# Altium PCB hep-0001.PcbDoc (part 1 of 2)
Units mm, origin at the board's own origin, x right, y up, seen from the top; angles counter-clockwise.
Board outline 120.4 x 43.4 mm, 4 copper layers (Top Layer, Signal_1, Signal_2, GND), stack 1.57 mm thick; 172 components, 149 nets, 569 pads, 218 vias.
Unrouted connection lines stored in the file: 1.
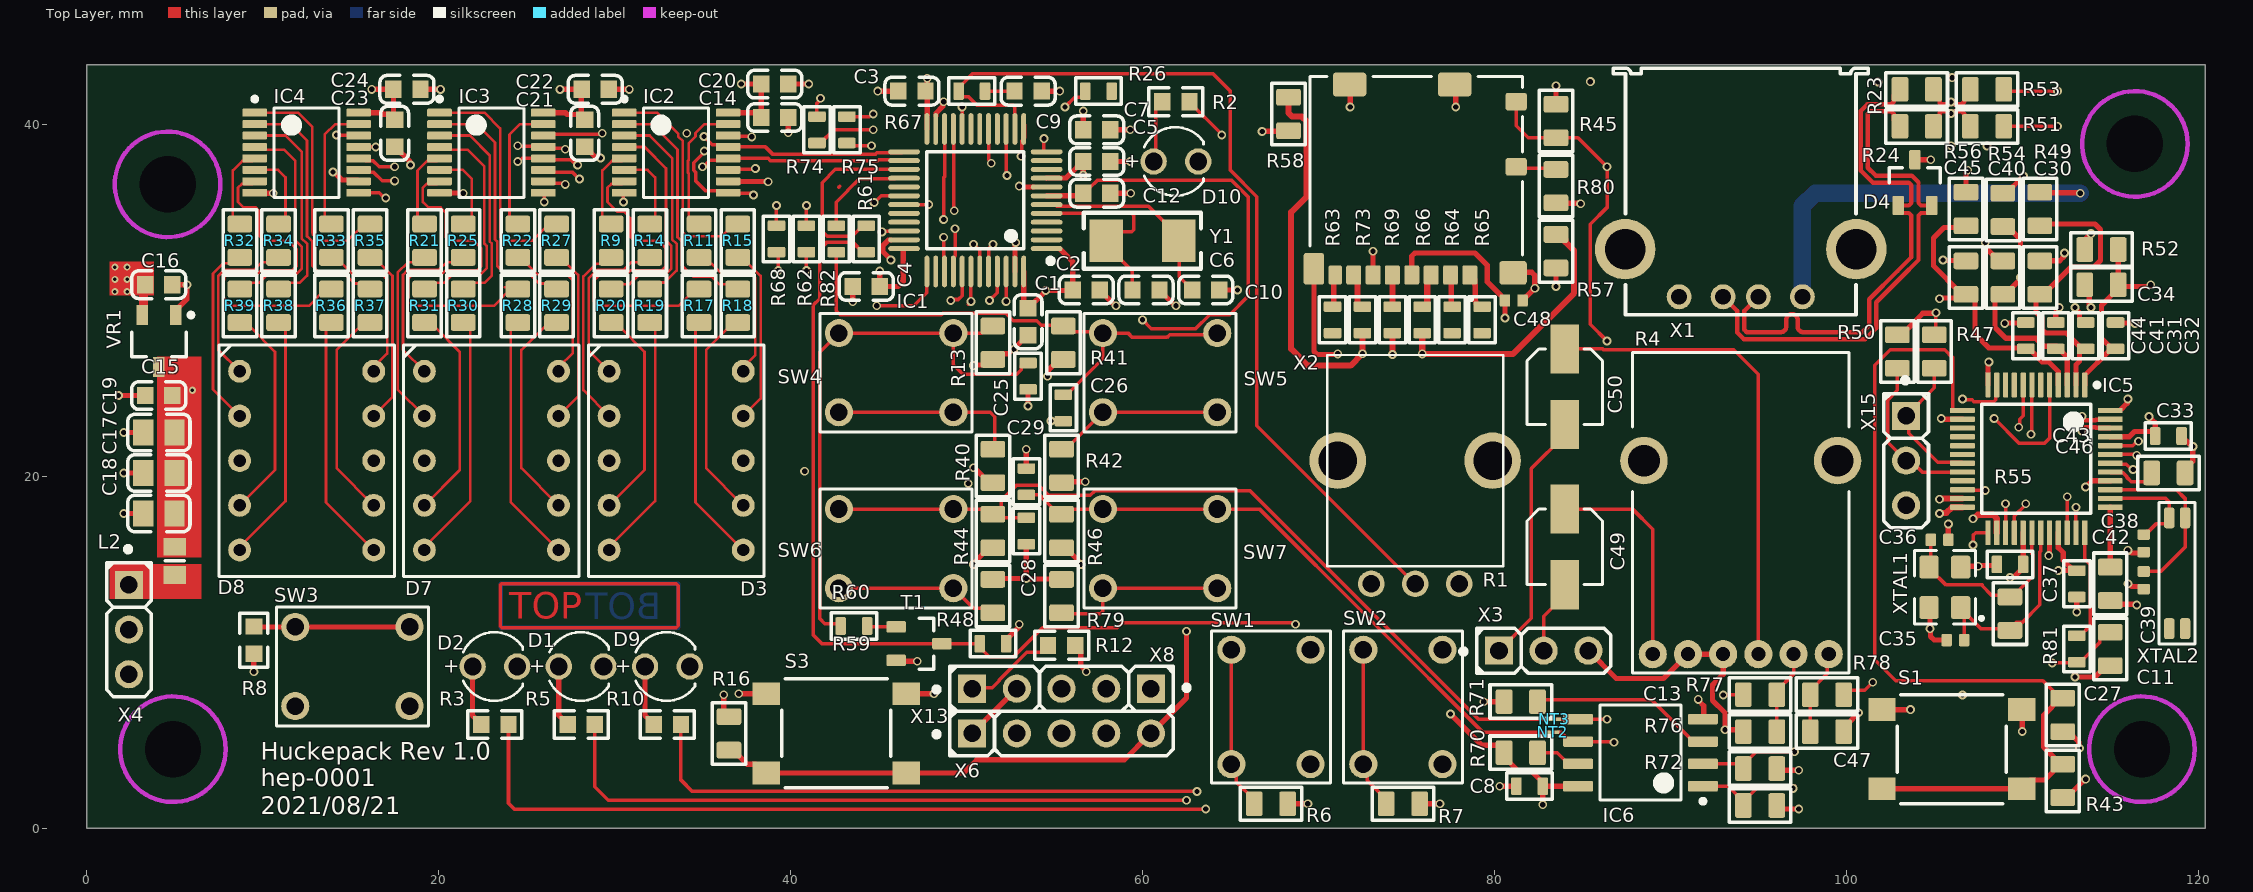
[diagram p0: Top Layer view]
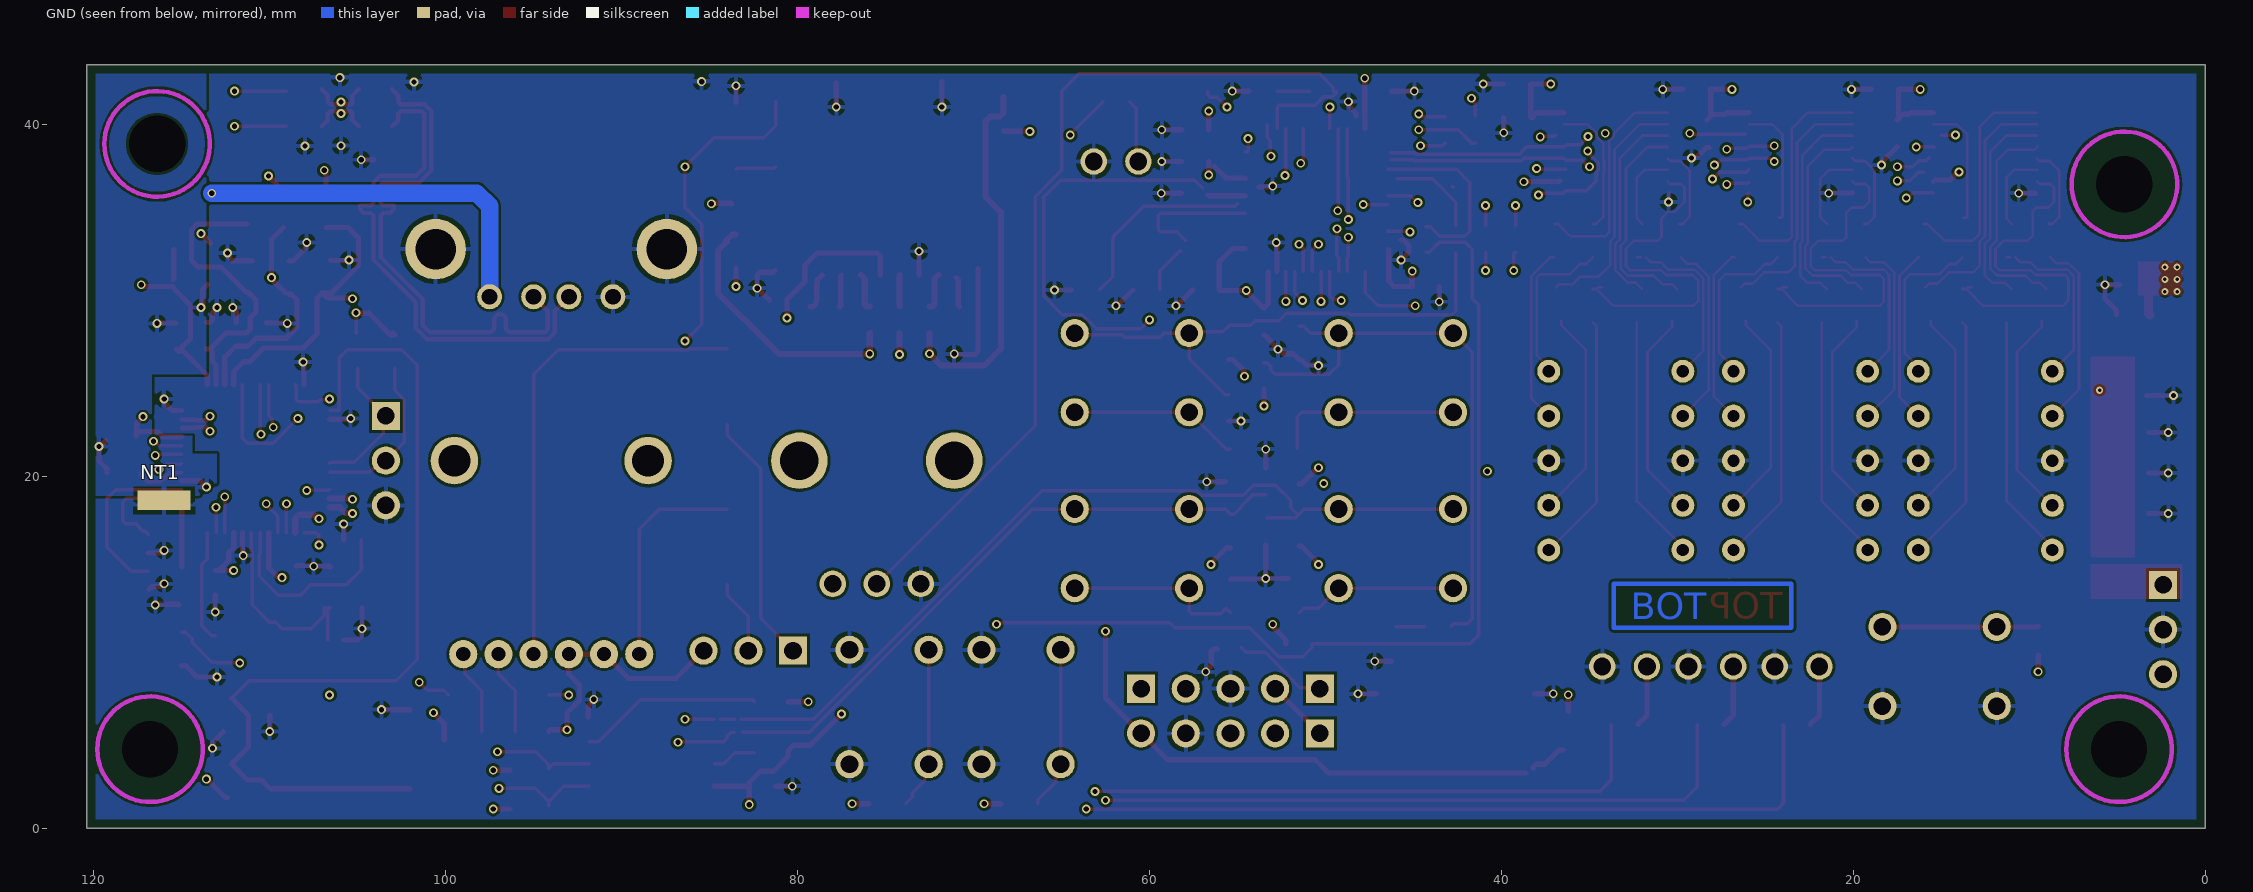
[diagram p1: GND view, seen from below]
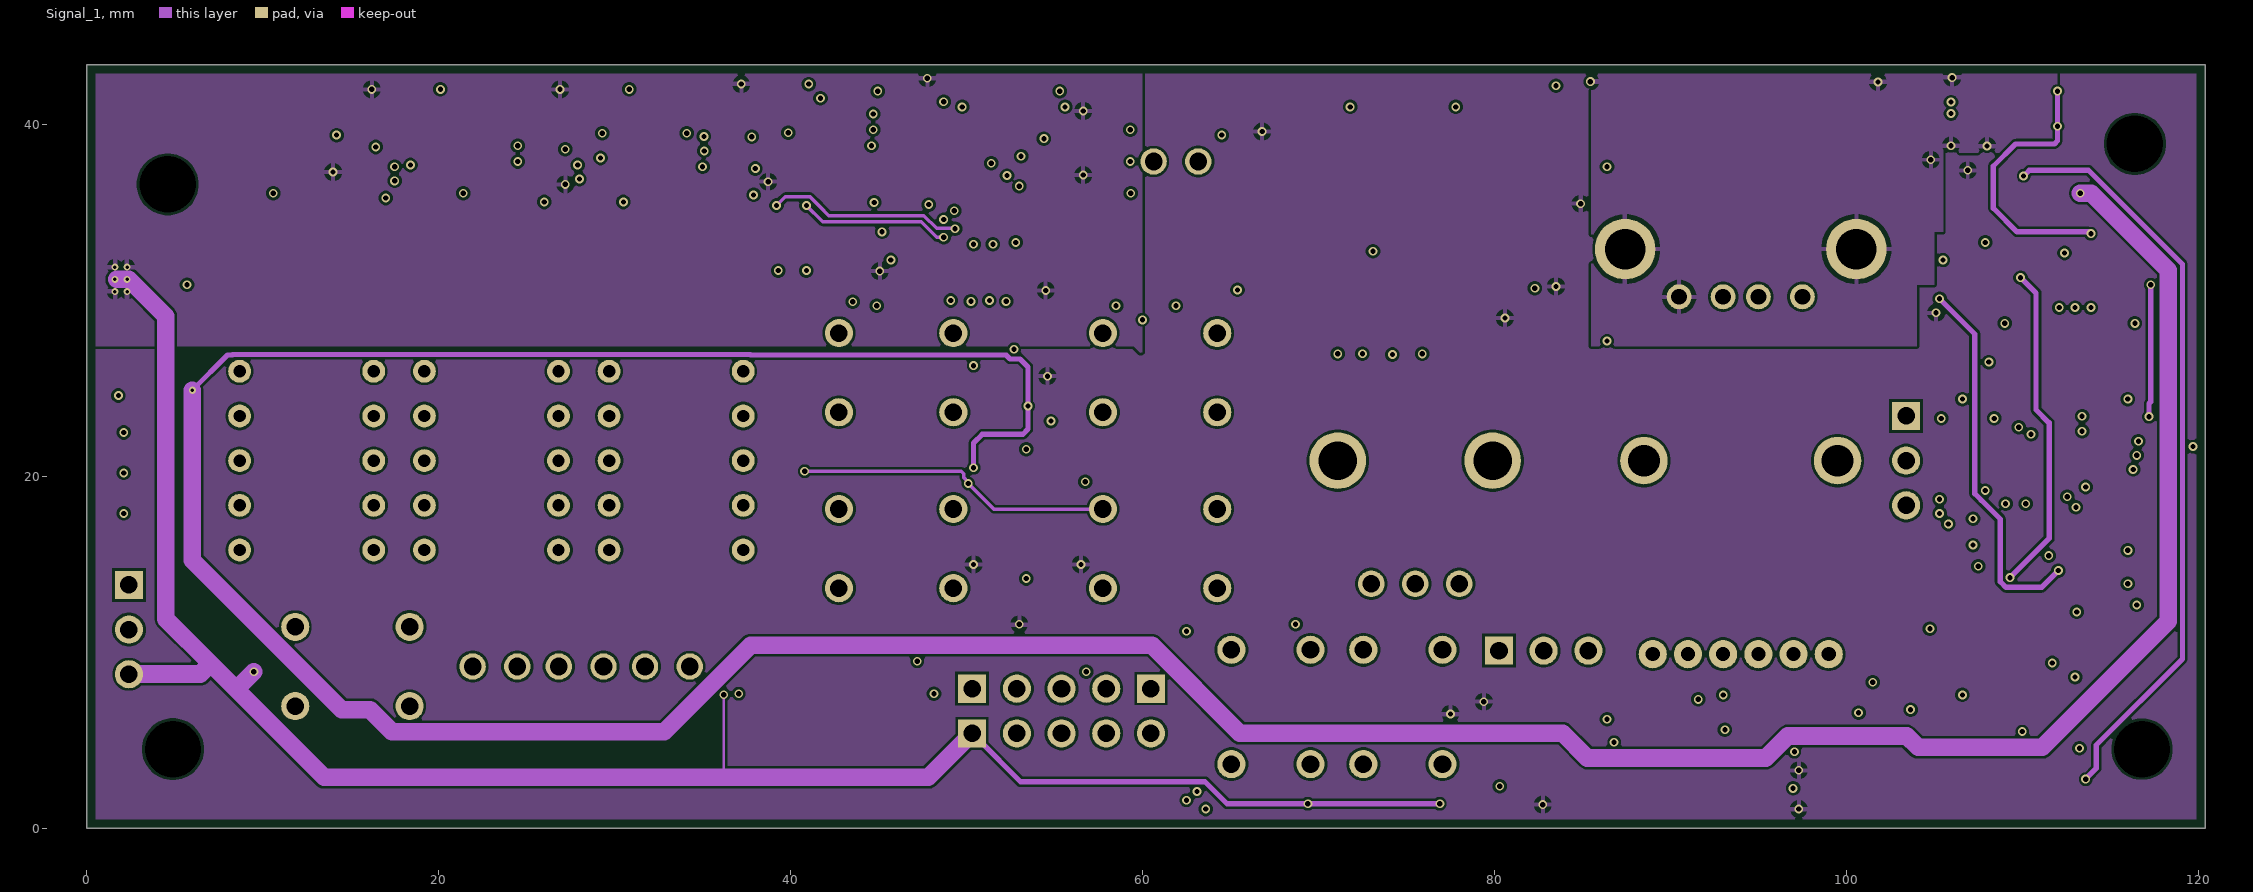
[diagram p2: Signal_1]
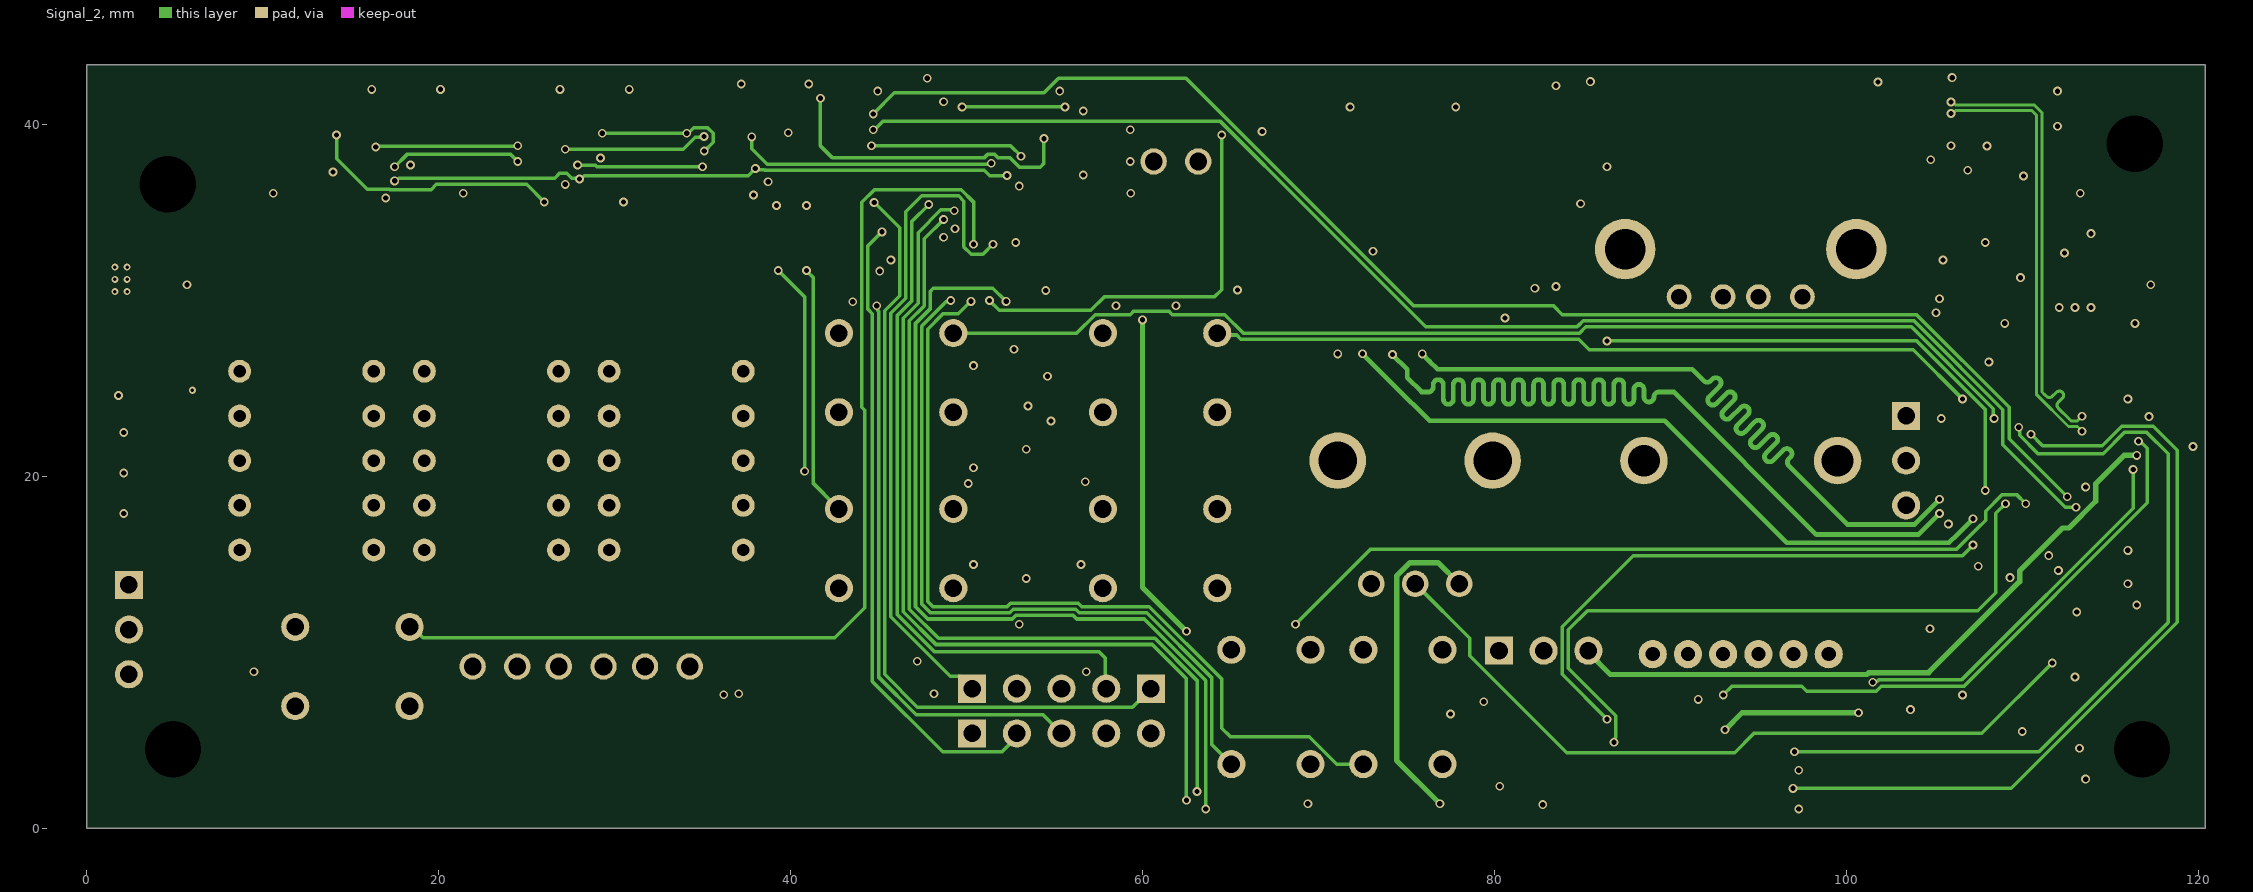
[diagram p3: Signal_2]
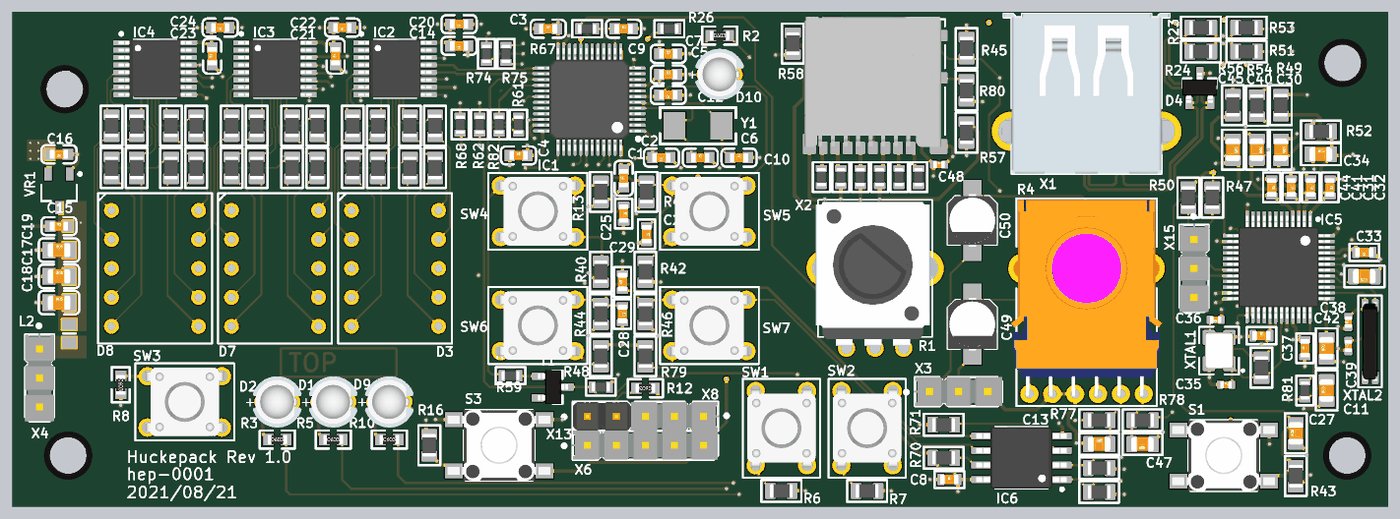
[diagram p5: 3D render of the assembled board from above, using the file's embedded part models]

## Layer stack, top to bottom
Top Solder: solder mask 0.0254, Solder Resist, Dk 3.5
Top Layer: signal copper 0.035
Dielectric 2: prepreg 0.2, PP-006, Dk 4.1
Signal_1: signal copper 0.0175
Dielectric 1: core 1.065, FR-4, Dk 4.6
Signal_2: signal copper 0.0175
Dielectric 3: prepreg 0.2, PP-006, Dk 4.1
GND: signal copper 0.035
Bottom Solder: solder mask 0.0254, Solder Resist, Dk 3.5

## Board outline
0,43.4 120.4,43.4 120.4,0 0,0 0,1.4

## Design rules (kind name [scope] priority, off if disabled: settings)
AssemblyTestPointUsage AssemblyTestPointUsage_1 [All] p2:
AssemblyTestpoint AssemblyTestpoint_1 [All] p2: testpointundercomponent=TRUE minsize=1.016 maxsize=2.54 preferedsize=1.524 minholesize=0 maxholesize=1.016 preferedholesize=0.813 testpointgrid=0.025 usegrid=TRUE gridtolerance=0 allowsidetop=TRUE allowsidebottom=TRUE
BoardOutlineClearance [All] p1: gap=0.5 ignorepadtopadclearanceinfootprint=FALSE
Clearance [All] p1: gap=0.15 ignorepadtopadclearanceinfootprint=FALSE
ComponentClearance [All] p1 off: gap=0.254 collisioncheckmode=3 verticalgap=0.254 showdistances=FALSE
DiffPairsRouting [All] p1: maxlimit=0.15 minlimit=0.15 mostfreqgap=0.15 toplayer_minwidth=0.25 toplayer_maxwidth=0.25 toplayer_prefwidth=0.25 midlayer1_minwidth=0.175 midlayer1_maxwidth=0.175 midlayer1_prefwidth=0.175 midlayer2_minwidth=0.175 midlayer2_maxwidth=0.175 midlayer2_prefwidth=0.175 bottomlayer_minwidth=0.25 bottomlayer_maxwidth=0.25 bottomlayer_prefwidth=0.25 impedanceprofiledriven=TRUE impedanceprofileid={04F2F82F-38AB-4D0A-8382-FEA7E611262D} impedanceprofilevalue=90.000000 maxuncoupledlength=12.7
FabricationTestPointUsage FabricationTestPointUsage_1 [All] p2: valid=0 allowmultiple=FALSE
FabricationTestpoint FabricationTestpoint_1 [All] p2: side=3 testpointundercomponent=TRUE minsize=1.016 maxsize=2.54 preferedsize=1.524 minholesize=0 maxholesize=1.016 preferedholesize=0.813 testpointgrid=0.025 allowsidetop=TRUE allowsidebottom=TRUE usegrid=TRUE gridtolerance=0
FanoutControl Fanout_LCC [IsLCC] p1: bgadir=Out bgaviamode=Centered fanoutstyle=Auto fanoutdirection=Alternating viagrid=0.025 // Fanout_LCC (Default Rule)
FanoutControl Fanout_BGA [IsBGA] p2: bgadir=Out bgaviamode=Centered fanoutstyle=Auto fanoutdirection=Alternating viagrid=0.025 // Fanout_BGA (Default Rule)
FanoutControl Fanout_Default [All] p4: bgadir=Out bgaviamode=Centered fanoutstyle=Auto fanoutdirection=Alternating viagrid=0.025 // Fanout_Default (Default Rule)
FanoutControl Fanout_Small [(CompPinCount < 5)] p5: bgadir=Out bgaviamode=Centered fanoutstyle=Auto fanoutdirection=OutThenIn viagrid=0.025 // Fanout_Small (Default Rule)
FanoutControl Fanout_BGA_1 [IsBGA] p6: bgadir=Out bgaviamode=Centered fanoutstyle=Auto fanoutdirection=Alternating viagrid=0.025 // Fanout_BGA (Default Rule)
FanoutControl Fanout_LCC_1 [IsLCC] p7: bgadir=Out bgaviamode=Centered fanoutstyle=Auto fanoutdirection=Alternating viagrid=0.025 // Fanout_LCC (Default Rule)
FanoutControl Fanout_SOIC_1 [IsSOIC] p8: bgadir=Out bgaviamode=Centered fanoutstyle=Auto fanoutdirection=Alternating viagrid=0.025 // Fanout_SOIC (Default Rule)
FanoutControl Fanout_Small_1 [(CompPinCount < 5)] p9: bgadir=Out bgaviamode=Centered fanoutstyle=Auto fanoutdirection=OutThenIn viagrid=0.025 // Fanout_Small (Default Rule)
FanoutControl Fanout_Default_1 [All] p10: bgadir=Out bgaviamode=Centered fanoutstyle=Auto fanoutdirection=Alternating viagrid=0.025 // Fanout_Default (Default Rule)
Height [All] p1: minheight=0 maxheight=500 prefheight=12.7
HoleSize HoleSize_1 [All] p1: absolutevalues=TRUE maxlimit=6 minlimit=0.025 maxpercent=80.000 minpercent=20.000
HoleToHoleClearance [All] p1: gap=0.2 allowstackedmicrovias=TRUE
MatchedLengths "Schematic Matched Net Lengths_1" [InNetClass('SD_CARD_2')] p1: tolerance=0.5 checknetsindiffpair=FALSE checkdiffpairvsdiffpair=TRUE checkxsignals=TRUE checkothers=TRUE
MatchedLengths "Schematic Matched Net Lengths" [InNetClass('SD_CARD')] p2: tolerance=0.5 checknetsindiffpair=FALSE checkdiffpairvsdiffpair=TRUE checkxsignals=TRUE checkothers=TRUE
MinimumSolderMaskSliver MinimumSolderMaskSliver_1 [All] p1: minsoldermaskwidth=0.1
PasteMaskExpansion PasteMaskExpansion_1 [All] p2: expansion=0
PlaneClearance PlaneClearance_1 [All] p2: clearance=0.508
PlaneConnect PlaneConnect_1 [All] p2: planeconnectstyle=Relief reliefexpansion=50 reliefentries=4 reliefconductorwidth=2 reliefairgap=0.2
PlaneConnect Via [IsVia] p3: planeconnectstyle=Direct reliefexpansion=0.508 reliefentries=4 reliefconductorwidth=0.254 reliefairgap=0.254
PolygonConnect PolygonConnect_2 [OnLayer('Top Layer')] p1: thpad.connectstyle=Relief thpad.reliefconductorwidth=0.254 thpad.reliefentries=4 thpad.polygonreliefangle="90 Angle" thpad.airgapwidth=0.254 smdpad.connectstyle=NoConnect smdpad.reliefconductorwidth=0.254 smdpad.reliefentries=4 smdpad.polygonreliefangle="90 Angle" smdpad.airgapwidth=0.254 via.connectstyle=Relief via.reliefconductorwidth=0.254 via.reliefentries=4 via.polygonreliefangle="90 Angle" via.airgapwidth=0.254
PolygonConnect [All] p2: connectstyle=Relief reliefconductorwidth=0.254 reliefentries=4 polygonreliefangle="90 Angle" airgapwidth=0.254
PolygonConnect Polygon [IsVia] p3: connectstyle=Direct reliefconductorwidth=0.25 reliefentries=4 polygonreliefangle="90 Angle" airgapwidth=0.25
PolygonConnect PolygonConnect_1 [All] p4: connectstyle=Relief reliefconductorwidth=0.254 reliefentries=4 polygonreliefangle="90 Angle" airgapwidth=0.254
RoutingVias RoutingVias_1 [All] p1: holewidth=0.3 width=0.5 viastyle="Through Hole" minholewidth=0.3 minwidth=0.5 maxholewidth=0.3 maxwidth=0.5
SilkToBoardRegionClearance SilkToBoardRegionClearance_1 [All] p2:
SilkToSilkClearance SilkToSilkClearance_1 [All] p1 off: silktosilkclearance=0
SolderMaskExpansion [All] p1: expansion=0.102 istentingtop=FALSE
SolderMaskExpansion SolderMaskExpansion_1 [All] p2: expansion=0.05 istentingtop=FALSE
Width Width_1 [InNetClass('SD_CARD')] p1: maxlimit=0.35 minlimit=0.27 preferedwidth=0.35 toplayer_minwidth=0.35 midlayer1_maxwidth=0.27 midlayer1_prefwidth=0.27 midlayer2_maxwidth=0.27 midlayer2_prefwidth=0.27 bottomlayer_minwidth=0.35 impedanceprofiledriven=TRUE impedanceprofileid={81609BBF-65D0-4220-B192-4D64DA6867EA} impedanceprofilevalue=50.000000 minimp=50.000000 maximp=50.000000 favimp=50.000000
Width [All] p2: maxlimit=1 minlimit=0.15 preferedwidth=0.3 minimp=50.000000 maximp=50.000000 favimp=50.000000
19 further rules are at their usual default settings.

## Classes and differential pairs
net class SD_CARD_2: NetR66_2 NetR69_2 NetR73_2
net class SD_CARD: SD_CLK SD_CMD SD_DAT0
differential pair class USB_Line: USBD USBD_CON
net class USB: USBD_CON_N USBD_CON_P USBD_N USBD_P
component class Power_and_Connectors: C15 C16 C17 C18 C19 D4 L2 R23 R24 VR1 X1 X4 X6 X8
component class MCU: C1 C2 C3 C4 C5 C6 C7 C9 C10 C12 C14 C20 C21 C22 C23 C24 D1 D2 D3 D7 D8 D9 D10 IC1 IC2 IC3 IC4 R1 R2 R3 R5 R6 R7 R8 R9 R10 R11 R12 R14 R15 R16 R17 R18 R19 R20 R21 R22 R25 R26 R27 R28 R29 R30 R31 R32 R33 R34 R35 R36 R37 R38 R39 R61 R62 R67 R68 R82 S3 SW1 SW2 SW3 X13 Y1
component class Audiocodec: C8 C11 C13 C25 C26 C27 C28 C29 C30 C31 C32 C33 C34 C35 C36 C37 C38 C39 C40 C41 C42 C43 C44 C45 C46 C47 C48 C49 C50 D13 IC5 IC6 NT1 NT2 NT3 R4 R13 R40 R41 R42 R43 R44 R45 R46 R47 R48 R49 R50 R51 R52 R53 R54 R55 R56 R57 R58 R59 R60 R63 R64 R65 R66 R69 R70 R71 R72 R73 R74 R75 R76 R77 R78 R79 R80 R81 S1 SW4 SW5 SW6 SW7 T1 X2 X3 X14 X15 XTAL1 XTAL2
differential pair USBD: +USBD_P -USBD_N
differential pair USBD_CON: +USBD_CON_P -USBD_CON_N

## Components (designator, comment, footprint, x,y, rotation, side; value= is the part's Value field where it differs from the comment)
C1 "100nF" 0603_C 53.5,28.8 r90 top
C2 "100nF" 0603_C 56.8,30.6 r180 top
C3 "100nF" 0603_C 46.9,41.9 r0 top
C4 "4.7uF" 0603_C 44.3,30.8 r0 top
C5 "1uF" 0603_C 57.4,37.9 r0 top
C6 "22pF" 0603_C 60.2,30.6 r0 top
C7 "10nF" 0603_C 57.4,39.7 r0 top
C8 "100nF" CAPC1608X95N 82,2.4 r0 top
C9 "1uF" 0603_C 53.5,41.9 r0 top
C10 "22pF" 0603_C 63.6,30.6 r0 top
C11 "1uF" CAPC2012X145N 115,10.2 r90 top
C12 "100nF" 0603_C 57.4,36.1 r180 top
C13 "1nF" CAPC2012X145N 95.1,5.5 r0 top
C14 "100nF" 0603_C 39.1,40.4 r180 top
C15 "1uF" 0603_C 4.1,24.6 r0 top
C16 "1uF" 0603_C 4.1,30.9 r180 top
C17 "10uF" 0805_C 4.1,20.2 r0 top
C18 "10uF" 0805_C 4.1,17.9 r0 top
C19 "10uF" 0805_C 4.1,22.5 r0 top
C20 "1uF" 0603_C 39.1,42.3 r180 top
C21 "100nF" 0603_C 28.3,39.5 r90 top
C22 "1uF" 0603_C 28.9,42 r180 top
C23 "100nF" 0603_C 17.5,39.5 r90 top
C24 "1uF" 0603_C 18.2,42 r180 top
C25 "100nF" CAPC1608X95N 53.5,25.7 r270 top
C26 "100nF" CAPC1608X95N 55.5,23.9 r270 top
C27 "1uF" CAPC2012X145N 112.3,6.45 r90 top
C28 "100nF" CAPC1608X95N 53.4,16.9 r270 top
C29 "100nF" CAPC1608X95N 53.4,19.7 r90 top
C30 "10uF" CAPC2012X145N 111,31.3 r270 top
C31 "100nF" CAPC1608X95N 113.6,28 r270 top
C32 "100nF" CAPC1608X95N 115.3,28 r270 top
C33 "100nF" CAPC1608X95N 118.3,22.3 r180 top
C34 "10uF" CAPC2012X145N 114.5,30.9 r0 top
C35 "8pF" CAPC1005X55 106.2,10.7 r0 top
C36 "8pF" CAPC1005X55 105.3,16.4 r180 top
C37 "100nF" CAPC1608X95N 109.3,15 r0 top
C38 "10pF" CAPC1005X55 116.9,16.2 r90 top
C39 "10pF" CAPC1005X55 116.9,14.1 r90 top
C40 "10uF" CAPC2012X145N 108.9,31.3 r270 top
C41 "100nF" CAPC1608X95N 111.9,28 r270 top
C42 "1uF" CAPC2012X145N 115,13.9 r90 top
C43 "10uF" CAPC2012X145N 118.3,20.2 r180 top
C44 "100nF" CAPC1608X95N 110.2,28 r270 top
C45 "10uF" CAPC2012X145N 106.8,31.3 r270 top
C46 "100nF" CAPC1608X95N 113.1,13.9 r90 top
C47 "1nF" CAPC2012X145N 98.9,5.5 r180 top
C48 "100n" CAPC1005X55 81.1,30 r0 top value=100nF
C49 "22u" CAPAE4643X54M 84,16 r270 top
C50 "22u" CAPAE4643X54M 84,25.1 r270 top
D1 "Super Red, 2.2V, 60deg" WL-TMRC_3MM_10MM_SPACE 28.1,9.2 r0 top
D2 "Super Red, 2.2V, 60deg" WL-TMRC_3MM_10MM_SPACE 23.2,9.2 r0 top
D3 "RED" LTS-4301WC 33.5,20.9 r0 top
D4 "PESD2USB3UX-TR" SOT95P280X135-3N_123 103.9,36.7 r90 top
D7 "RED" LTS-4301WC 23,20.9 r0 top
D8 "RED" LTS-4301WC 12.5,20.9 r0 top
D9 "Super Red, 2.2V, 60deg" WL-TMRC_3MM_10MM_SPACE 33,9.2 r0 top
D10 "Super Red, 2.2V, 60deg" WL-TMRC_3MM_10MM_SPACE 61.9,37.9 r0 top
IC1 "STM32F103C8T6" LQFP-48_7x7x05P 50.5,35.7 r90 top
IC2 "SN74HCS595PWR" TSOP65P640X120-16N_2 33.5,38.4 r0 top
IC3 "SN74HCS595PWR" TSOP65P640X120-16N_2 23,38.4 r0 top
IC4 "SN74HCS595PWR" TSOP65P640X120-16N_2 12.5,38.4 r0 top
IC5 "VS1010D-L" TSQFP50P900X900X160-48N 110.8,21 r270 top
IC6 "SST25VF080B-50-4C-S2AF-T" SOIC127P790X216-8N 88.3,4.3 r180 top
L2 "100R @ 100Mhz 0.8A" 6-0805_L 5,15.2 r90 top
NT1 "NetTie_3mm" NET_TIE_3MM 116,18.65 r270 bottom net-tie
NT2 "NetTie_0.2mm" NET_TIE_0.2MM 83.325,5.45 r0 top net-tie
NT3 "NetTie_0.2mm" NET_TIE_0.2MM 83.4,6.2 r0 top net-tie
R1 "POT_50k_lin_9mm" PTV09 75.5,20.9 r0 top
R2 "130Ω ±1%" 0603_R 61.9,41.3 r0 top
R3 "130Ω ±1%" 0603_R 23.2,5.9 r0 top
R4 "10k" rk12l123 94,20.9 r0 top
R5 "130Ω ±1%" 0603_R 28.1,5.9 r0 top
R6 "100k" RESC2012X70N 67.3,1.4 r0 top
R7 "100k" RESC2012X70N 74.8,1.4 r0 top
R8 "100KΩ ±1%" 0603_R 9.5,10.7 r270 top
R9 "390R" RESC2012X70N 29.8,33.4 r270 top
R10 "130Ω ±1%" 0603_R 33,5.9 r0 top
R11 "390R" RESC2012X70N 34.8,33.4 r90 top
R12 "100KΩ ±1%" 0603_R 55.4,10.4 r180 top
R13 "100k" RESC2012X70N 51.5,27.6 r90 top
R14 "390R" RESC2012X70N 32,33.4 r270 top
R15 "390R" RESC2012X70N 37,33.4 r90 top
R16 "100k" RESC2012X70N 36.5,5.4 r90 top
R17 "390R" RESC2012X70N 34.8,29.7 r270 top
R18 "390R" RESC2012X70N 37,29.7 r90 top
R19 "390R" RESC2012X70N 32,29.7 r90 top
R20 "390R" RESC2012X70N 29.8,29.7 r90 top
R21 "390R" RESC2012X70N 19.2,33.4 r270 top
R22 "390R" RESC2012X70N 24.5,33.4 r90 top
R23 "0R" RESC2012X70N 104,42 r180 top
R24 "0R" RESC2012X70N 104,39.9 r180 top
R25 "390R" RESC2012X70N 21.4,33.4 r270 top
R26 "0R" RESC1608X55N 57.5,41.9 r0 top
R27 "390R" RESC2012X70N 26.7,33.4 r90 top
R28 "390R" RESC2012X70N 24.5,29.7 r270 top
R29 "390R" RESC2012X70N 26.7,29.7 r90 top
R30 "390R" RESC2012X70N 21.4,29.7 r90 top
R31 "390R" RESC2012X70N 19.2,29.7 r90 top
R32 "390R" RESC2012X70N 8.7,33.4 r270 top
R33 "390R" RESC2012X70N 13.9,33.4 r90 top
R34 "390R" RESC2012X70N 10.9,33.4 r270 top
R35 "390R" RESC2012X70N 16.1,33.4 r90 top
R36 "390R" RESC2012X70N 13.9,29.7 r270 top
R37 "390R" RESC2012X70N 16.1,29.7 r90 top
R38 "390R" RESC2012X70N 10.9,29.7 r90 top
R39 "390R" RESC2012X70N 8.7,29.7 r90 top
R40 "47k" RESC2012X70N 51.5,20.6 r270 top
R41 "100k" RESC2012X70N 55.5,27.6 r90 top
R42 "10k" RESC2012X70N 55.4,20.6 r270 top
R43 "100k" RESC2012X70N 112.3,2.7 r270 top
R44 "100k" RESC2012X70N 51.5,16.9 r90 top
R45 "100k" RESC2012X70N 83.5,40.2 r90 top
R46 "100k" RESC2012X70N 55.4,16.9 r90 top
R47 "100k" RESC2012X70N 105,27.1 r90 top
R48 "10k" RESC2012X70N 51.5,13.2 r90 top
R49 "0Ω ±1%" RESC2012X70N 111,35.2 r270 top
R50 "100k" RESC2012X70N 102.9,27.1 r90 top
R51 "470k" RESC2012X70N 108,39.9 r180 top
R52 "0Ω ±1%" RESC2012X70N 114.5,32.9 r0 top
R53 "470k" RESC2012X70N 108,42 r180 top
R54 "0Ω ±1%" RESC2012X70N 108.9,35.15 r270 top
R55 "470k" RESC2012X70N 109.3,12.2 r270 top
R56 "0Ω ±1%" RESC2012X70N 106.8,35.2 r270 top
R57 "10k" RESC2012X70N 83.5,32.8 r90 top
R58 "10k" RESC2012X70N 68.3,40.6 r90 top
R59 "100k" RESC1608X55N 51.5,10.5 r180 top
R60 "100k" RESC1608X55N 43.6,11.5 r180 top
R61 "0R" RESC1608X55N 44.3,33.5 r270 top
R62 "0R" RESC1608X55N 40.9,33.5 r270 top
R63 "22R" RESC1608X55N 70.8,28.9 r90 top
R64 "22R" RESC1608X55N 77.6,28.9 r90 top
R65 "22R" RESC1608X55N 79.3,28.9 r90 top
R66 "22R" RESC1608X55N 75.9,28.9 r90 top
R67 "0R" RESC1608X55N 50.3,41.9 r180 top
R68 "0R" RESC1608X55N 39.2,33.5 r270 top
R69 "22R" RESC1608X55N 74.2,28.9 r90 top
R70 "100k" RESC2012X70N 81.5,4.3 r180 top
R71 "100k" RESC2012X70N 81.5,7.2 r180 top
R72 "100k" RESC2012X70N 95.1,1.3 r0 top
R73 "22R" RESC1608X55N 72.5,28.9 r90 top
R74 "0R" RESC1608X55N 41.5,39.7 r90 top
R75 "0R" RESC1608X55N 43.2,39.7 r270 top
R76 "100k" RESC2012X70N 95.1,3.4 r0 top
R77 "390R" RESC2012X70N 95.1,7.6 r180 top
R78 "390R" RESC2012X70N 98.9,7.6 r0 top
R79 "10k" RESC2012X70N 55.4,13.2 r90 top
R80 "10k" RESC2012X70N 83.5,36.5 r90 top
R81 "0R" RESC1608X55N 113.1,10.2 r90 top
R82 "0R" RESC1608X55N 42.6,33.5 r270 top
S1 "WE_430182070816" 430182070816 106,4.5 r180 top
S3 "WE_430182070816" 430182070816 42.6,5.4 r180 top
SW1 "SW_SPST" TL1105D 67.3,6.9 r90 top
SW2 "SW_SPST" TL1105D 74.8,6.9 r90 top
SW3 "SW_SPST" TL1105D 15.1,9.2 r0 top
SW4 "SW_SPST" TL1105D 46,25.9 r0 top
SW5 "SW_SPST" TL1105D 61,25.9 r0 top
SW6 "SW_SPST" TL1105D 46,15.9 r0 top
SW7 "SW_SPST" TL1105D 61,15.9 r0 top
T1 "BC850" SOT95P280X135-3N_BEC 47.3,10.5 r0 top
VR1 "XC6206P332MR" SOT-23-3L 4.1,27.7 r90 top
X1 "USB A" CON_USBA_F_61400416021 94,36.2 r180 top
X2 "SD Micro" MOLEX_104031-0811 75.5,36.9 r0 top
X3 "HDR 1x3" CON_HEADER2.54_1x3W 82.8,10.1 r90 top
X4 "HDR 1x3" CON_HEADER2.54_1x3W 2.4,11.3 r0 top
X6 "HDR 1x5" CON_HEADER2.54_1x5W 55.4,5.4 r90 top
X8 "HDR 1x3" CON_HEADER2.54_1x3W 57.94,7.94 r270 top
X13 "HDR 1x2" CON_HEADER2.54_1x2W 52.86,7.94 r90 top
X15 "HDR 1x3" CON_HEADER2.54_1x3W 103.4,20.9 r0 top
XTAL1 "12.288MHZ" XTAL_ECS-122.8-10-33-AGL-TR 105.6,13.7 r90 top
XTAL2 "MC-146 32.7680KA-A3: PURE SN" Epson_MC-146 118.8,14.5 r270 top
Y1 "8MHz ±20ppm 20pF" SMD-5032_2P 60,33.4 r0 top
